# Altium PCB Hrafn_backup.PcbDoc (part 4 of 5)
Units mil, origin at the board's own origin, x right, y up, seen from the top; angles counter-clockwise.
Board outline 3346.46 x 3729.53 mil, 6 copper layers (Top Layer, GND, Internal Top, Internal Bottom, PWR, Bottom Layer), stack 55.468 mil thick; 375 components, 229 nets, 1217 pads, 760 vias.
Unrouted connection lines stored in the file: 2.
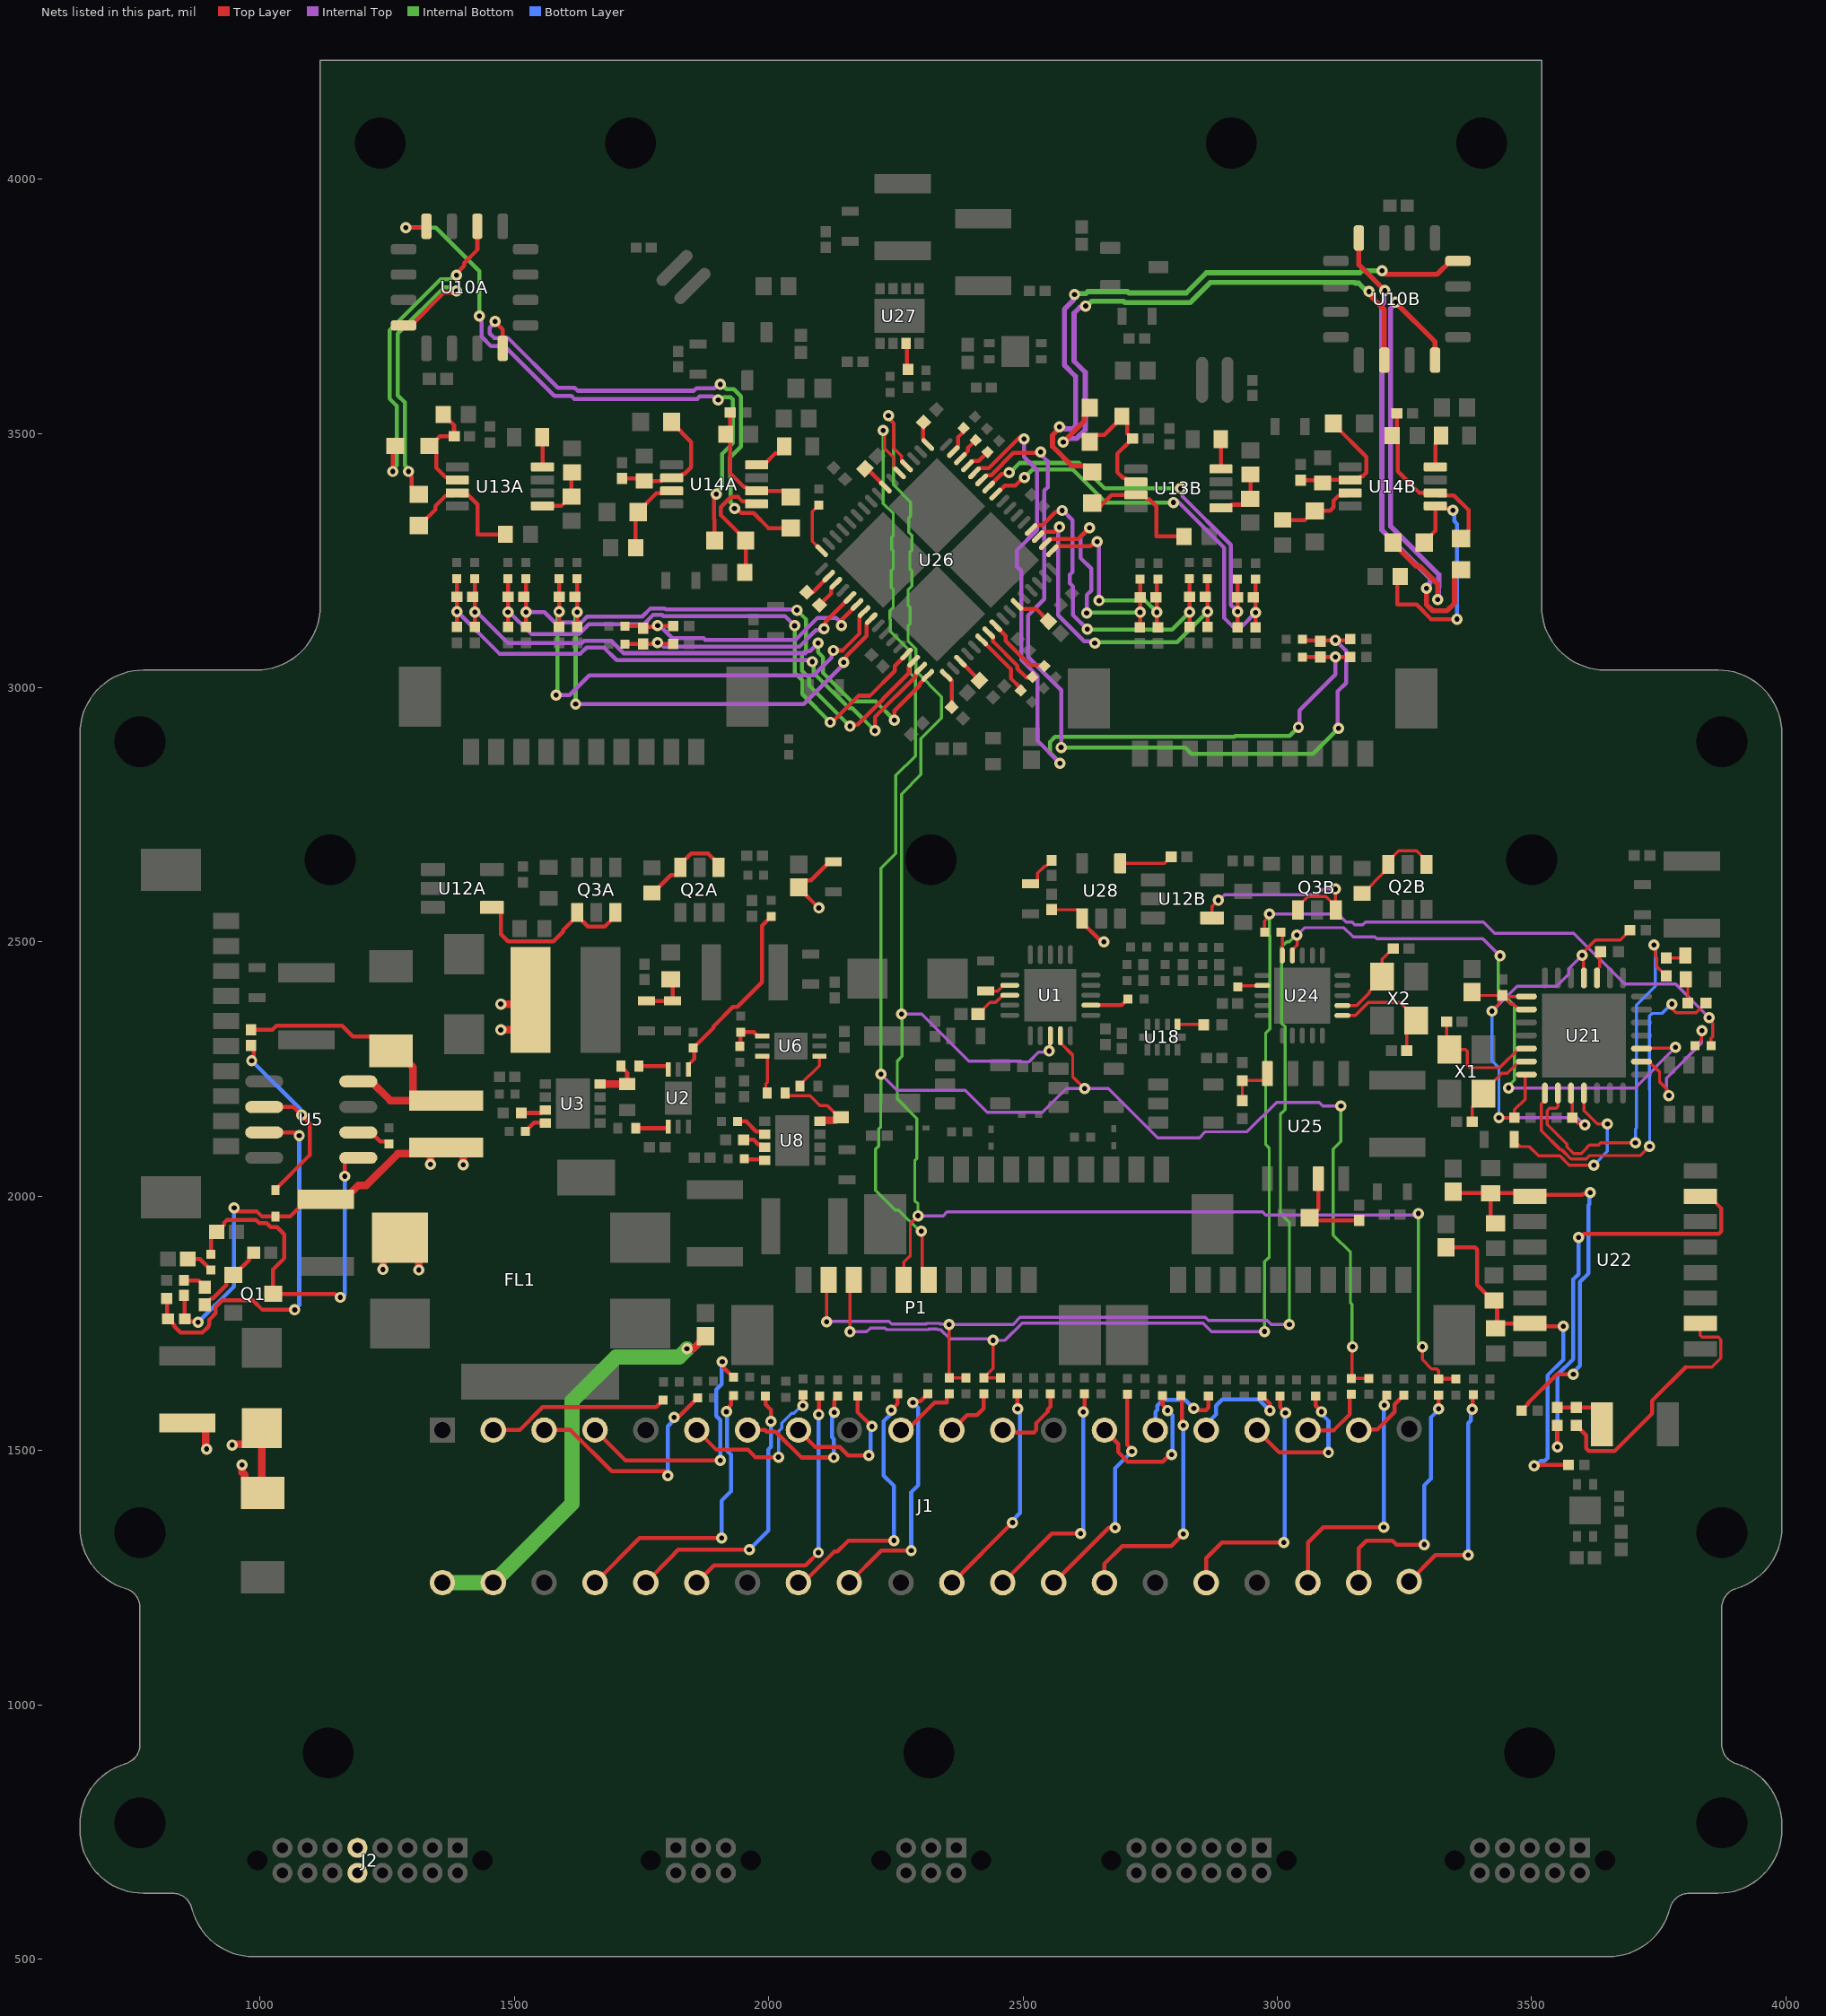
[diagram p8: the nets of this part, all layers, seen from the top]

## Via types
v1: diameter 22, hole 10, Top Layer to Bottom Layer, 698 vias
v2: diameter 23.62, hole 9.84, Top Layer to Bottom Layer, 36 vias
v3: diameter 19.68, hole 7.87, Top Layer to Bottom Layer, 24 vias
v4: diameter 24.02, hole 10, Top Layer to Bottom Layer, 2 vias

## Nets (pads, with @x,y where several pads share a name; then routed paths per layer and width w, separated by ;. In a path a pad name is that pad's centre, name@x,y a point inside that pad or via, vN(x,y) a via of type N, cw(c..) or ccw(c..) an arc to the next point about the centre after c; other vN are vias at no path point) (continued)
MISO0: P1.3 R13.1 R30.1 R106.1 R119.1 | length 2958.2
  Top Layer w6: v1(2159.8,1733.38) 2159.8,1819.1 2155,1823.9 P1.3@2166.81,1835.71 ; v1(2440.94,1716.54) 2440.94,1661.02 R13.1@2422.72,1642.8 R30.1@2455.21,1642.8 ; R119.1@2975.5,2519 2974.5,2520 2974.5,2541.04 2984.25,2550.79 v1(2984.25,2555.12) ; v1(3849,2351.22) 3849,2346.89 3855.66,2340.23 3855.66,2313.47 3852.75,2310.56 R106.1@3852.75,2296
  Internal Top w6: v1(2159.8,1733.38) 2192.47,1733.38 2200.09,1741 2228.43,1741 2231.75,1737.68 2313.81,1737.68 2315.13,1739 2330.87,1739 2332.19,1737.68 2337.82,1737.68 2355.96,1719.54 2437.94,1719.54 v1(2440.94,1716.54) 2464.42,1716.54 2498.66,1750.77 2854.1,1750.77 2870.87,1734 v1(2975,1734) ; v1(2984.25,2555.12) 3119.44,2555.12 3135.56,2539 3147.13,2539 3152.13,2534 3167.87,2534 3172.87,2539 3405.43,2539 3427.43,2517 3582.87,2517 3682.87,2417 3783.22,2417 v1(3849,2351.22)
  Internal Bottom w6: v1(2975,1734) 2975,1871.13 2984,1880.13 2984,2094.18 2977,2101.18 2977,2321.33 2985,2329.33 2985,2513.05 2984.25,2513.8 v1(2984.25,2555.12)
MISO1: P1.6 R24.1 R33.1 U1.14 U26.21 | length 3630.9
  Top Layer w6: v1(2225.01,3505.91) 2227.36,3503.55 2227.36,3470.43 2245.7,3452.09 2245.7,3434.83 2257.02,3423.51 U26.21@2257.02,3422.47 ; v1(2300,1931) 2301.7,1929.3 2301.7,1848.46 P1.6@2314.45,1835.71 ; U1.14@2573.31,2315.55 2573.31,2301.77 2597.56,2277.53 2597.56,2235.12 v1(2621.06,2211.61) ; v1(3148,1704) 3146.5,1702.5 3146.5,1643.25 R24.1@3145,1641.75 R33.1@3180,1641.75
  Internal Top w6: v1(2220.47,2240.16) 2252.11,2208.52 2386.2,2208.52 2429.72,2165 2538.41,2165 2585.02,2211.61 v1(2621.06,2211.61) 2667.52,2211.61 2715.94,2163.19 2716.36,2163.19 2764.78,2114.76 2846.5,2114.76 2858.5,2126.76 2940.62,2126.76 2998.58,2184.72 3082.02,2184.72 3089.58,2177.17 v1(3125,2177.17)
  Internal Bottom w6: v1(2225.01,3505.91) 2225.01,3362.44 2244.82,3342.63 2244.82,3299.09 2241.39,3295.66 2241.39,3271.92 2244.82,3268.49 2244.82,3234.52 2241,3230.7 2241,3196.82 2244.82,3193 2244.82,3158.51 2237.91,3151.59 2237.91,3135.18 2239,3134.09 2239,3110.74 2278.05,3071.69 2278.05,3028.56 2288.16,3018.45 2288.16,2865.58 2249.83,2827.25 2249.83,2674.37 2220.24,2644.79 2220.24,2184.55 2220,2184.3 2220,2136.08 2216.25,2132.33 2216.25,2098.44 2210.23,2092.41 2210.23,2073.33 2209.61,2072.71 2209.61,2011.85 2248.5,1972.96 2255.1,1972.96 2297.05,1931 v1(2300,1931) ; v1(3125,2177.17) 3125,2107.87 3110,2092.87 3110,1923.72 3143.7,1890.02 3143.7,1790.43 3147,1787.13 3147,1705 v1(3148,1704)
MOSI0: P1.2 R12.1 R29.1 U21.3 U24.14 | length 3123.9
  Top Layer w6: v1(2114,1753) 2114,1832.11 P1.2@2117.6,1835.71 ; v1(2354.33,1748.03) 2354.79,1747.57 R12.1@2354.79,1642.8 R29.1@2387.28,1642.8 ; U24.14@3029.41,2473.51 3030.66,2474.76 3030.66,2485.59 3039.25,2494.18 3039.25,2512.58 v1(3038.42,2513.41) ; U21.3@3716.02,2290.43 3717.11,2291.52 3781.52,2291.52 v1(3783,2293)
  Internal Top w6: v1(2114,1753) 2114.94,1753.94 2236.58,1753.94 2241.84,1748.68 2309.25,1748.68 2310.57,1750 2335.43,1750 2336.75,1748.68 2353.68,1748.68 v1(2354.33,1748.03) 2480.36,1748.03 2494.1,1761.77 2858.65,1761.77 2864.43,1756 2979.87,1756 2987.84,1748.03 v1(3023.62,1748.03) ; v1(3038.42,2513.41) 3053.01,2528 3131,2528 3149.37,2509.63 3191.8,2509.63 3195.31,2506.12 3403.88,2506.12 3437.41,2472.59 v1(3437.63,2472.59) ; v1(3454.61,2213) 3703,2213 v1(3783,2293)
  Internal Bottom w6: v1(3023.62,1748.03) 3023.62,1948.7 3006,1966.33 3006,2161.23 3015,2170.23 3015,2333.46 3008.44,2340.01 3008.44,2490.44 3018.4,2500.4 3023.16,2500.4 3036.17,2513.41 v1(3038.42,2513.41) ; v1(3437.63,2472.59) 3434.57,2469.53 3434.57,2456.44 3434,2455.87 3434,2407 3466,2375 3466,2228.72 3454.61,2217.33 v1(3454.61,2213)
MOSI1: P1.5 R27.2 R32.1 U1.13 U26.20 | length 3683.6
  Top Layer w6: v1(2235.16,3535.2) 2235.91,3534.45 2235.91,3529.58 2245.01,3520.48 2245.01,3471.53 2261.16,3455.37 2261.16,3446.17 U26.20@2270.94,3436.39 ; P1.5@2265.24,1835.71 2265.24,1870.3 2271.27,1876.33 2271.91,1876.33 2278.23,1882.65 2278.23,1946.54 v1(2293.31,1961.61) ; v1(2551.49,2285.52) 2552.89,2286.92 2552.89,2314.82 U1.13@2553.63,2315.55 ; v1(3285,1704) 3285,1678.65 3303.26,1660.39 3313.49,1660.39 3317,1656.87 R27.2@3317,1640.75
  Top Layer w8: R27.2@3317,1640.75 R32.1@3351,1640.75
  Internal Top w6: v1(2260.83,2358.27) 2300.73,2358.27 2393.7,2265.3 2495.91,2265.3 2496.91,2264.3 2511.24,2264.3 2530.49,2283.56 2547.38,2283.56 2548.46,2282.48 v1(2551.49,2285.52) ; v1(2293.31,1961.61) 2343.06,1961.61 2350.44,1969 2970.87,1969 2976.87,1963 3274,1963 v1(3277,1966)
  Internal Bottom w6: v1(2235.16,3535.2) 2235.16,3530.33 2245.01,3520.48 2245.01,3399 2278.92,3365.08 2278.92,3337.05 2275.3,3333.43 2275.3,3305.4 2281.01,3299.69 2281.01,3270.23 2277.39,3266.61 2277.39,3233.8 2281.2,3229.99 2281.2,3200.12 2273.91,3192.83 2273.91,3161.76 2277.72,3157.95 2277.72,3125.92 2273.91,3122.11 2273.91,3091.38 2289.05,3076.25 2289.05,3033.12 2339.88,2982.28 2339.88,2940.57 2299.16,2899.85 2299.16,2828.95 2260.83,2790.62 2260.83,2359.64 2262.2,2358.27 2262.2,2275.26 2252.65,2265.71 2252.65,2191.22 2291,2152.87 2291,2074 2287,2070 2287,1991.13 2293.31,1984.82 v1(2293.31,1961.61) ; v1(3277,1966) 3277,1712 v1(3285,1704)
NetC4_1: C4.1 D1.1 D2.1 FL1.1 J2.9 J2.10 | length 531.8
  Top Layer w15: C4.1@857,1554.06 881.45,1554.06 892.72,1542.79 892.72,1504.92 v1(894.68,1502.95) ; v1(944.88,1510.83) 946.45,1512.39 971.13,1512.39 D1.1@1003,1544.26 1003,1418.65 D2.1@1004.92,1416.73 993.9,1416.73 969.51,1441.12 969.51,1452.15 964.57,1457.09 v1(964.57,1471.46) ; FL1.1@1239.17,1888.98 1241.13,1887.02 v1@1241.13,1859 ; FL1.1@1274.78,1918.68 1242.13,1886.02 1302.94,1886.02 1312,1876.96 v1(1312,1855)
  other v1: 1241.13,1856
NetC10_2: C10.2 U1.7 | length 52.7
  Top Layer w6: C10.2@2426.18,2403.54 2450.12,2403.54 2459.39,2412.81 2459.39,2413.18 2461.17,2414.96 U1.7@2473.91,2414.96
NetC11_1: C11.1 U1.8 | length 77.6
  Top Layer w6: C11.1@2411.61,2358.27 2412.4,2358.27 2435.14,2381.01 2445.86,2381.01 2460.13,2395.28 U1.8@2473.91,2395.28
NetC19_1: C19.1 R63.2 | length 70
  Top Layer w6: C19.1@2514.76,2614.17 2522.64,2614.17 2528.5,2620.03 2528.5,2635.28 2542.95,2649.73 2546.39,2649.73 2556.1,2659.45 R63.2@2556.1,2660.43
NetC24_1: C24.1 D5.1 L1.0 U5.8 | length 614.6
  Top Layer w8: C24.1@981.84,2327.35 982.24,2327.76 1024.54,2327.76 1031.91,2335.13 1160.93,2335.13 1182.15,2313.91 1229,2313.91 D5.1@1256.89,2286.02
  Top Layer w15: U5.8@1192.91,2225.59 1218.5,2225.59 1255.83,2188.26 L1.0@1312.85,2188.26 ; D5.1@1256.89,2286.02 1267.91,2286.02 1300.67,2253.27 1300.67,2200.45 L1.0@1312.85,2188.26 ; L1.0@1366,2188.26 L1.0@1312.85,2188.26
NetC24_2: C24.2 D4.1 U5.2 | length 443.5
  Top Layer w8: C24.2@981.84,2296.65 987.2,2291.28 987.2,2270.67 v1(983.27,2266.73) ; U5.2@1007.87,2175.59 1065.55,2175.59 v1(1081.35,2159.79) 1097.15,2143.99 1097.15,2080.71 1030,2013.56 D4.1@1030,2011.98
  Bottom Layer w8: v1(983.27,2266.73) 1079.05,2170.95 1079.05,2162.09 v1(1081.35,2159.79)
NetC25_1: C25.1 D4.2 L1.1 L2.1 R68.2 R76.1 | length 1057.5
  Top Layer w8: R76.1@850.21,1805.07 851.07,1804.2 851.07,1759.7 R68.2@851.94,1758.83 856.51,1754.26 875.66,1754.26 v1(877.95,1751.97) ; v1(948.82,1977.36) 948.82,1975.16 953.51,1970.47 993.09,1970.47 1003.55,1960.02 D4.2@1030,1960.02 1058.63,1960.02 1092.56,1993.94 C25.1@1129,1993.94
  Top Layer w15: C25.1@1129,1993.94 1165.44,1993.94 1193.15,2021.65 1208.66,2021.65 1270.67,2083.66 L1.1@1330.81,2083.66 ; v1(1335,2063) 1335,2083.56 1334.9,2083.66 L1.1@1330.81,2083.66 ; v1(1399,2062) 1399,2083.56 1386.82,2095.74 L1.1@1366,2095.74 1342.89,2095.74 L1.1@1330.81,2083.66 ; v1(1473,2327) 1499.63,2327 1531.5,2358.87 L2.1@1531.5,2386.02 1523.47,2378 v1(1473,2378)
  Bottom Layer w8: v1(877.95,1751.97) 948.82,1822.83 v1(948.82,1977.36)
NetC29_2: C29.2 Q1.3 R69.2 U5.5 | length 768.9
  Top Layer w8: R69.2@903.31,1886.2 903.31,1919.45 913.98,1930.12 915.55,1930.12 929.39,1943.95 929.39,1948.02 934.66,1953.29 991.89,1953.29 998.16,1947.02 1012.95,1947.02 1020.72,1939.24 1033.2,1939.24 1047.24,1925.2 1047.24,1878.02 1025.59,1856.37 Q1.3@1025.59,1808.07 1147.34,1808.07 1154.23,1801.18 v1(1157.48,1801.18) ; v1(1166.34,2039.37) 1166.34,2068.37 1173.56,2075.59 U5.5@1192.91,2075.59
  Bottom Layer w8: v1(1157.48,1801.18) 1160.73,1801.18 1165.41,1805.87 1166.34,1805.87 v1(1166.34,2039.37)
NetC30_2: C30.2 R69.1 | length 55
  Top Layer w8: C30.2@857.5,1876.83 881.17,1876.83 R69.1@903.31,1854.7
NetC31_1: C31.1 Q1.1 R77.2 | length 147.3
  Top Layer w8: C31.1@891.21,1786.51 891.21,1787.3 903.07,1799.17 907.14,1799.17 933.13,1825.16 933.13,1833.72 944.88,1845.47 946.85,1845.47 948.82,1845.47 978.41,1875.06 978.41,1880.97 986.22,1888.78 R77.2@987.2,1888.78
NetC31_2: C31.2 R76.2 | length 47
  Top Layer w8: R76.2@850.21,1834.6 878.55,1834.6 891.21,1821.95 C31.2@891.21,1821.16
NetC32_2: C32.2 C36.2 FB4.2 U28.1 | length 284.3
  Top Layer w6: C36.2@2556.1,2563.39 2606.89,2563.39 2616.14,2554.13 U28.1@2616.14,2546.26
  Top Layer w8: v1(2098.43,2566.93) 2059.06,2606.3 2059.06,2608.18 2071.95,2621.08 2082.69,2621.08 2119.09,2657.48 C32.2@2126.97,2657.48 ; U28.1@2616.14,2546.26 2616.14,2538.39 2651.85,2502.68 2656.32,2502.68 v1(2659,2500)
NetC42_2: C42.2 U28.4 | length 105.9
  Top Layer w6: U28.4@2690.94,2654.53 2777.72,2654.53 2790.69,2667.5 C42.2@2791.47,2667.5
NetC44A_1: C44A.1 Q2A.4 Q2A.6 | length 186.5
  Top Layer w8: C44A.1@1770.56,2596.5 1772.53,2596.5 1807.89,2631.87 1818.69,2631.87 1826.5,2639.68 Q2A.6@1826.5,2646.57 1826.5,2653.46 1847.31,2674.27 1880.49,2674.27 1901.31,2653.46 Q2A.4@1901.31,2646.57
NetC44B_1: C44B.1 Q2B.4 Q2B.6 | length 184.9
  Top Layer w6: C44B.1@3166.49,2595.44 3168.46,2595.44 3209.68,2636.66 3209.68,2643.82 Q2B.6@3218.49,2652.63 3218.49,2659.52 3238.3,2679.33 3273.48,2679.33 3293.29,2659.52 Q2B.4@3293.29,2652.63
NetC47A_1: C47A.1 R85A.1 R89A.2 U13A.2 | length 208.4
  Top Layer w8: R89A.2@1332.68,3475.39 R89A.2@1334.65,3475.39 ; R85A.1@1360.07,3537.5 1360.07,3535.53 1370.84,3524.76 1372.8,3524.76 1381.13,3516.43 C47A.1@1381.13,3494.19 1353.44,3494.19 R89A.2@1334.65,3475.39 ; U13A.2@1387.63,3408.56 1382.77,3413.42 1365.28,3413.42 1346.39,3432.3 1346.39,3463.65 R89A.2@1334.65,3475.39
NetC47B_1: C47B.1 R85B.1 R89B.2 U13B.2 | length 262.4
  Top Layer w8: R89B.2@2630.91,3483.27 2630.91,3485.24 2642.65,3496.98 2659.72,3496.98 2694.32,3531.59 R85B.1@2694.32,3533.56 2705.09,3522.8 2705.09,3499.76 C47B.1@2714.6,3490.25 ; C47B.1@2715.39,3490.25 C47B.1@2714.6,3490.25 ; U13B.2@2721.88,3404.62 2708.1,3404.62 2700.37,3412.35 2696.66,3412.35 2685.04,3423.97 2685.04,3459.91 2708.36,3483.23 2708.36,3484.02 C47B.1@2714.6,3490.25
NetC48A_1: C48A.1 R86A.1 R90A.2 U14A.6 | length 258.4
  Top Layer w8: C48A.1@1924.44,3541.43 1924.01,3541 1924.01,3498.13 1924.01,3421.62 1950.99,3394.64 1954.7,3394.64 1962.43,3386.91 2031.4,3386.91 R90A.2@2043.14,3375.16
NetC48B_1: C48B.1 R86B.1 R90B.2 U14B.6 | length 355.8
  Top Layer w8: C48B.1@3235.07,3539.46 3235.07,3505.41 R86B.1@3225.82,3496.16 3236.58,3485.39 3236.58,3425.82 3279.43,3382.97 U14B.6@3310.47,3382.97 3315.32,3378.11 3347.28,3378.11 3375.98,3349.41 3375.98,3310.96 3375.18,3310.16 3375.18,3306.28 3362.27,3293.37 R90B.2@3361.22,3293.37
NetC49A_1: C49A.1 R87A.1 R91A.2 U14A.2 | length 254.3
  Top Layer w8: C49A.1@1711.45,3411.91 1749.44,3411.91 R87A.1@1754.76,3406.59 1789.21,3406.59 1795.11,3412.5 U14A.2@1808.89,3412.5 1822.67,3412.5 1830.4,3420.23 1834.11,3420.23 1847.44,3433.55 1847.44,3483.27 1809.12,3521.59 R91A.2@1809.12,3522.64
NetC49B_1: C49B.1 R87B.1 R91B.2 U14B.2 | length 263.6
  Top Layer w8: C49B.1@3045.7,3407.97 3083.69,3407.97 R87B.1@3089.01,3402.65 3094.91,3408.56 U14B.2@3143.14,3408.56 3156.92,3408.56 3164.65,3416.29 3168.37,3416.29 3175.06,3422.99 3175.06,3453.74 3110.17,3518.63 R91B.2@3110.17,3519.68
NetC64_2: C64.2 C65.2 R102.2 | length 95.1
  Top Layer w8: C64.2@1759.84,2384.06 C65.2@1811.02,2384.06 1811.02,2422.44 R102.2@1807.09,2426.38
NetC68_2: C68.2 U21.20 X1.1 | length 177.3
  Top Layer w6: C68.2@3382.95,2146.73 3382.95,2175.86 3405,2197.91 3405,2201.85 3405,2205.79 3441.12,2241.91 3451.95,2241.91 3474.88,2264.84 U21.20@3489.65,2264.84
NetC69_1: C69.1 U21.19 X1.3 | length 255.3
  Top Layer w6: C69.1@3332.56,2343.58 3332.56,2293.98 X1.3@3338.07,2288.47 3369.86,2288.47 3373.38,2284.95 3373.38,2257.59 3378.06,2252.91 3437.36,2252.91 3474.88,2290.43 U21.19@3489.65,2290.43
NetC70_2: C70.2 FB5.1 R107.1 R109.2 U22.2 | length 842.3
  Top Layer w8: FB5.1@3345.47,2008.82 3348.38,2005.91 R107.1@3419.29,2005.91 ; R109.2@3429.04,1946.85 3420.34,1955.55 3420.34,1961.55 3419.29,1962.6 R107.1@3419.29,2005.91 ; C70.2@3480.31,1578.74 3492.21,1590.63 3492.21,1592.34 3549.66,1649.79 v1(3582,1649.79) ; v1(3615,2007) 3612.32,2004.32 3600.93,2004.32 3598.97,2002.37 3509.07,2002.37 3506.57,1999.87 U22.2@3496.57,1999.87 3490.53,2005.91 R107.1@3419.29,2005.91
  Bottom Layer w8: v1(3582,1649.79) 3582,1653.58 3595,1666.58 3595,1831.37 3612,1848.37 3612,1982.59 3613.41,1984 3613.41,2005.41 v1(3615,2007)
NetC71_1: C71.1 U21.25 | length 361.7
  Top Layer w6: C71.1@3465.93,2111.3 3465.93,2109.43 3466.93,2108.43 3467.93,2107.43 3468.93,2106.43 3469.93,2105.43 3470.93,2104.43 3471.93,2103.43 3477.79,2097.57 3495.56,2097.57 3513.85,2079.28 3555.59,2079.28 3573.87,2061 v1(3622,2061) ; U21.25@3602.83,2202.84 3602.83,2168.47 3629,2142.3 3648.7,2142.3 v1(3649,2142)
  Bottom Layer w6: v1(3622,2061) 3649,2088 v1(3649,2142)
NetC72_2: C72.2 C73.2 C75.2 C76.2 FB6.1 U21.11 U21.15 U21.16 U21.21 U21.24 | length 1191.6
  Top Layer w6: FB6.1@3383,2401.32 3389.56,2394.76 C75.2@3442.4,2394.76 ; v1(3422,2364) 3436.14,2378.14 3436.14,2388.5 C75.2@3442.4,2394.76 ; v1(3435.61,2154.61) C76.2@3466.02,2154.61 3466.33,2154.91 3466.33,2170.33 3487,2191 3487,2236.57 U21.21@3489.65,2239.21 ; U21.16@3489.65,2367.21 3474.88,2367.21 3464.17,2377.92 3459.24,2377.92 C75.2@3444.37,2392.8 ; U21.15@3489.65,2392.8 C75.2@3444.37,2392.8 ; U21.24@3577.24,2202.84 3577.24,2186.5 3580.2,2183.55 C72.2@3580.2,2154.61 3591.66,2143.15 3601.29,2143.15 v1(3604.35,2140.09) ; U21.11@3602.83,2429.21 3601.72,2430.32 3601.72,2471.28 v1(3599,2474) 3599,2477.68 3625.32,2504 3674.25,2504 C73.2@3693.25,2523 ; C75.2@3442.4,2394.76 C75.2@3444.37,2392.8
  Internal Top w6: v1(3422,2364) 3471,2413 3549,2413 3572.47,2436.47 3572.47,2447.47 v1(3599,2474) ; v1(3435.61,2154.61) 3589.83,2154.61 v1(3604.35,2140.09)
  Bottom Layer w6: v1(3422,2364) 3422,2266.19 3435.61,2252.58 v1(3435.61,2154.61)
NetC77_2: C77.2 FB7.1 R113.1 R114.2 U22.7 | length 753.3
  Top Layer w8: FB7.1@3331.69,1899.56 3388.31,1899.56 3393,1894.88 3393,1825.41 3423.13,1795.28 R113.1@3426.09,1795.28 3431.09,1790.28 R113.1@3432.09,1790.28 ; R113.1@3427.09,1795.28 R113.1@3432.09,1790.28 ; R114.2@3429.04,1740.16 3432.09,1743.2 R113.1@3432.09,1790.28 ; R114.2@3432.04,1740.16 3441.75,1749.87 U22.7@3496.57,1749.87 3506.57,1749.87 3512.44,1744 v1(3562,1744) ; v1(3505,1470) 3506.76,1471.76 C77.2@3572.28,1471.76
  Bottom Layer w8: v1(3505,1470) 3508.79,1470 3518.13,1479.34 3525.34,1479.34 3531,1485 3531,1647.55 3562,1678.55 v1(3562,1744)
NetC81_1: C81.1 R115.1 R116.1 | length 110.6
  Top Layer w8: R116.1@3550.35,1584.75 3550.4,1584.7 3587.55,1584.7 R115.1@3587.6,1584.65 3620.14,1584.65 3637.8,1566.99 C81.1@3637.8,1551.18
NetC82_1: C82.1 FB8.2 U25.3 | length 183.5
  Top Layer w8: U25.3@3080.59,2034.53 3080.59,1973.9 3064.45,1957.76 FB8.2@3063.51,1957.76 3068.63,1952.64 C82.1@3160.51,1952.64
NetC83_2: C83.2 U24.7 X2.1 | length 170.4
  Top Layer w6: U24.7@3127.84,2375.08 3155.95,2375.08 3181,2400.13 3181,2403.24 3205.83,2428.07 3205.83,2465.87 3227.09,2487.12 C83.2@3227.87,2487.13
NetC88_2: C88.2 U24.6 X2.3 | length 239.1
  Top Layer w6: U24.6@3127.84,2355.39 3153.34,2355.4 3178.89,2380.95 3241.13,2380.95 3272.76,2349.33 X2.3@3272.76,2345.39 3254.65,2327.28 C88.2@3254.65,2286.34
NetC102_2: C102.2 U26.23 | length 54.8
  Top Layer w8: C102.2@2189.38,3430.85 2192.97,3430.85 U26.23@2229.19,3394.63
NetC103_2: C103.2 U26.51 | length 53.9
  Top Layer w8: U26.51@2376.73,3052.22 2414.1,3014.84 C103.2@2414.1,3013.84
NetC104_2: C104.2 U26.59 | length 75
  Top Layer w8: U26.59@2488.09,3163.57 2497.14,3154.52 2526.06,3154.52 C104.2@2549.61,3130.97
NetC105_2: C105.2 U26.49 | length 66.9
  Top Layer w8: U26.49@2348.89,3024.38 2348.89,3023.88 2359.5,3013.27 C105.2@2359.5,2961.83
NetC110A_1: C110A.1 C111A.2 R134A.2 U26.1 | length 434.2
  Top Layer w8: U26.1@2557.68,3269.36 2566.73,3278.41 2632.34,3278.41 2641.34,3287.4 v1(2645.67,3287.4) ; C111A.2@2765.19,3118.8 2763.03,3120.96 v1(2763.03,3148.33) 2763.03,3175.69 C110A.1@2760.86,3177.85 2763.03,3180.02 2763.03,3211.12 R134A.2@2765.19,3213.29
  Internal Top w8: v1(2645.67,3287.4) 2649.61,3283.46 v1(2649.61,3171.26)
  Internal Bottom w8: v1(2649.61,3171.26) 2740.09,3171.26 v1(2763.03,3148.33)
NetC110A_2: C110A.2 C112A.2 R133A.2 U26.2 | length 488.8
  Top Layer w8: U26.2@2543.76,3283.28 2552.81,3292.33 2608.49,3292.33 v1(2630.73,3314.56) ; C112A.2@2729.76,3118.8 2729.95,3118.99 v1(2729.95,3148.33) 2729.95,3177.66 C110A.2@2730.15,3177.85 2729.95,3178.05 2729.95,3213.09 R133A.2@2729.76,3213.29
  Internal Top w8: v1(2625,3146.65) 2625,3182.04 2634.19,3191.23 2634.19,3234.03 2613.19,3255.03 2613.19,3297.02 v1(2630.73,3314.56)
  Internal Bottom w8: v1(2625,3146.65) 2625.84,3147.49 2727.45,3147.49 2728.28,3146.65 v1(2729.95,3148.33)
NetC110B_1: C110B.1 C111B.2 R134B.2 U26.3 | length 660.7
  Top Layer w8: U26.3@2529.84,3297.2 2538.89,3306.25 2562.15,3306.25 v1(2571.85,3315.94) ; C111B.2@2862.61,3119.8 v1(2862.62,3149.61) R134B.2@2862.61,3214.29
  Internal Top w8: v1(2571.85,3315.94) 2568.9,3312.99 2568.9,3142.55 2620.36,3091.08 2637.91,3091.08 v1(2640.97,3088.02)
  Internal Bottom w8: v1(2640.97,3088.02) 2642.52,3089.57 2802.58,3089.57 v1(2862.62,3149.61)
NetC110B_2: C110B.2 C112B.2 R133B.2 U26.4 | length 645.7
  Top Layer w8: U26.4@2515.93,3311.12 2516.77,3311.12 2525.82,3320.17 2538.67,3320.17 2563.87,3345.36 2573.71,3345.36 v1(2576.77,3348.43) ; C112B.2@2827.18,3119.8 v1(2827.18,3148.62) R133B.2@2827.18,3214.29
  Internal Top w8: v1(2576.77,3348.43) 2578.51,3348.43 2597.44,3329.5 2597.44,3227.53 2592.19,3222.28 2592.19,3204.88 2598.43,3198.65 2598.43,3142.72 v1(2625.98,3115.16)
  Internal Bottom w8: v1(2625.98,3115.16) 2626.97,3114.17 2792.73,3114.17 v1(2827.18,3148.62)
NetC110C_1: C110C.1 C111C.2 R134C.2 U26.9 | length 846.8
  Top Layer w8: U26.9@2446.33,3380.71 2446.83,3380.71 2463.75,3397.64 2484.76,3397.64 2500.51,3413.39 v1(2502.95,3413.39) ; C111C.2@2957.1,3118.8 v1(2957.1,3147.64) R134C.2@2957.1,3213.29
  Internal Top w8: v1(2795.74,3364.23) 2797.58,3366.07 2804.21,3366.07 2895.67,3274.61 2895.67,3136.81 2912.4,3120.08 2929.54,3120.08 v1(2957.1,3147.64)
  Internal Bottom w8: v1(2502.95,3413.39) 2518.5,3428.93 2597.65,3428.93 2662.35,3364.23 v1(2795.74,3364.23)
NetC110C_2: C110C.2 C112C.2 R133C.2 U26.10 | length 800.9
  Top Layer w8: U26.10@2432.41,3394.63 2457.94,3420.17 2469.38,3420.17 v1(2472.44,3423.23) ; C112C.2@2921.67,3118.8 v1(2921.67,3149.61) R133C.2@2921.67,3213.29
  Internal Top w8: v1(2810.04,3391.73) 2812.96,3388.82 2812.96,3376.71 2908.67,3281 2908.67,3162.61 v1(2921.67,3149.61)
  Internal Bottom w8: v1(2472.44,3423.23) 2474.41,3423.23 2493.11,3441.93 2610.29,3441.93 2660.48,3391.73 v1(2810.04,3391.73)
NetC110D_1: C110D.1 C111D.2 R134D.2 U26.11 | length 1627
  Top Layer w8: U26.11@2418.49,3408.55 2427.89,3417.95 2437.34,3417.95 2481,3461.61 2532.48,3461.61 v1(2534.45,3463.58) ; R134D.2@3049.01,3095.57 3051.18,3093.4 3082.28,3093.4 C110D.1@3084.45,3091.24 3086.61,3093.4 v1(3113.97,3093.4) 3141.34,3093.4 C111D.2@3143.5,3095.57
  Internal Top w8: v1(2534.45,3463.58) 2534.45,3459.25 2548.23,3445.47 2548.23,3393.87 2541.83,3387.47 2541.83,3174.37 2509.51,3142.05 2509.51,3060.37 2574.8,2995.08 v1(2574.8,2882.54) ; v1(3113.97,3093.4) 3134.97,3072.4 3134.97,3009.16 3118.76,2992.95 3118.76,2921.59 v1(3120.08,2920.28)
  Internal Bottom w8: v1(2574.8,2882.54) 2818.28,2882.54 2830.74,2870.08 3069.88,2870.08 v1(3120.08,2920.28)
NetC110D_2: C110D.2 C112D.2 R133D.2 U26.12 | length 1640.1
  Top Layer w8: U26.12@2404.57,3422.47 2413.62,3431.52 2432.51,3431.52 2492.75,3491.77 2499.38,3491.77 v1(2501.97,3489.17) ; R133D.2@3049.01,3060.14 3049.21,3060.33 3084.25,3060.33 C110D.2@3084.45,3060.53 3084.64,3060.33 v1(3113.97,3060.33) 3143.3,3060.33 C112D.2@3143.5,3060.14